# Allegro board 6UL_WIFI_V10B.brd
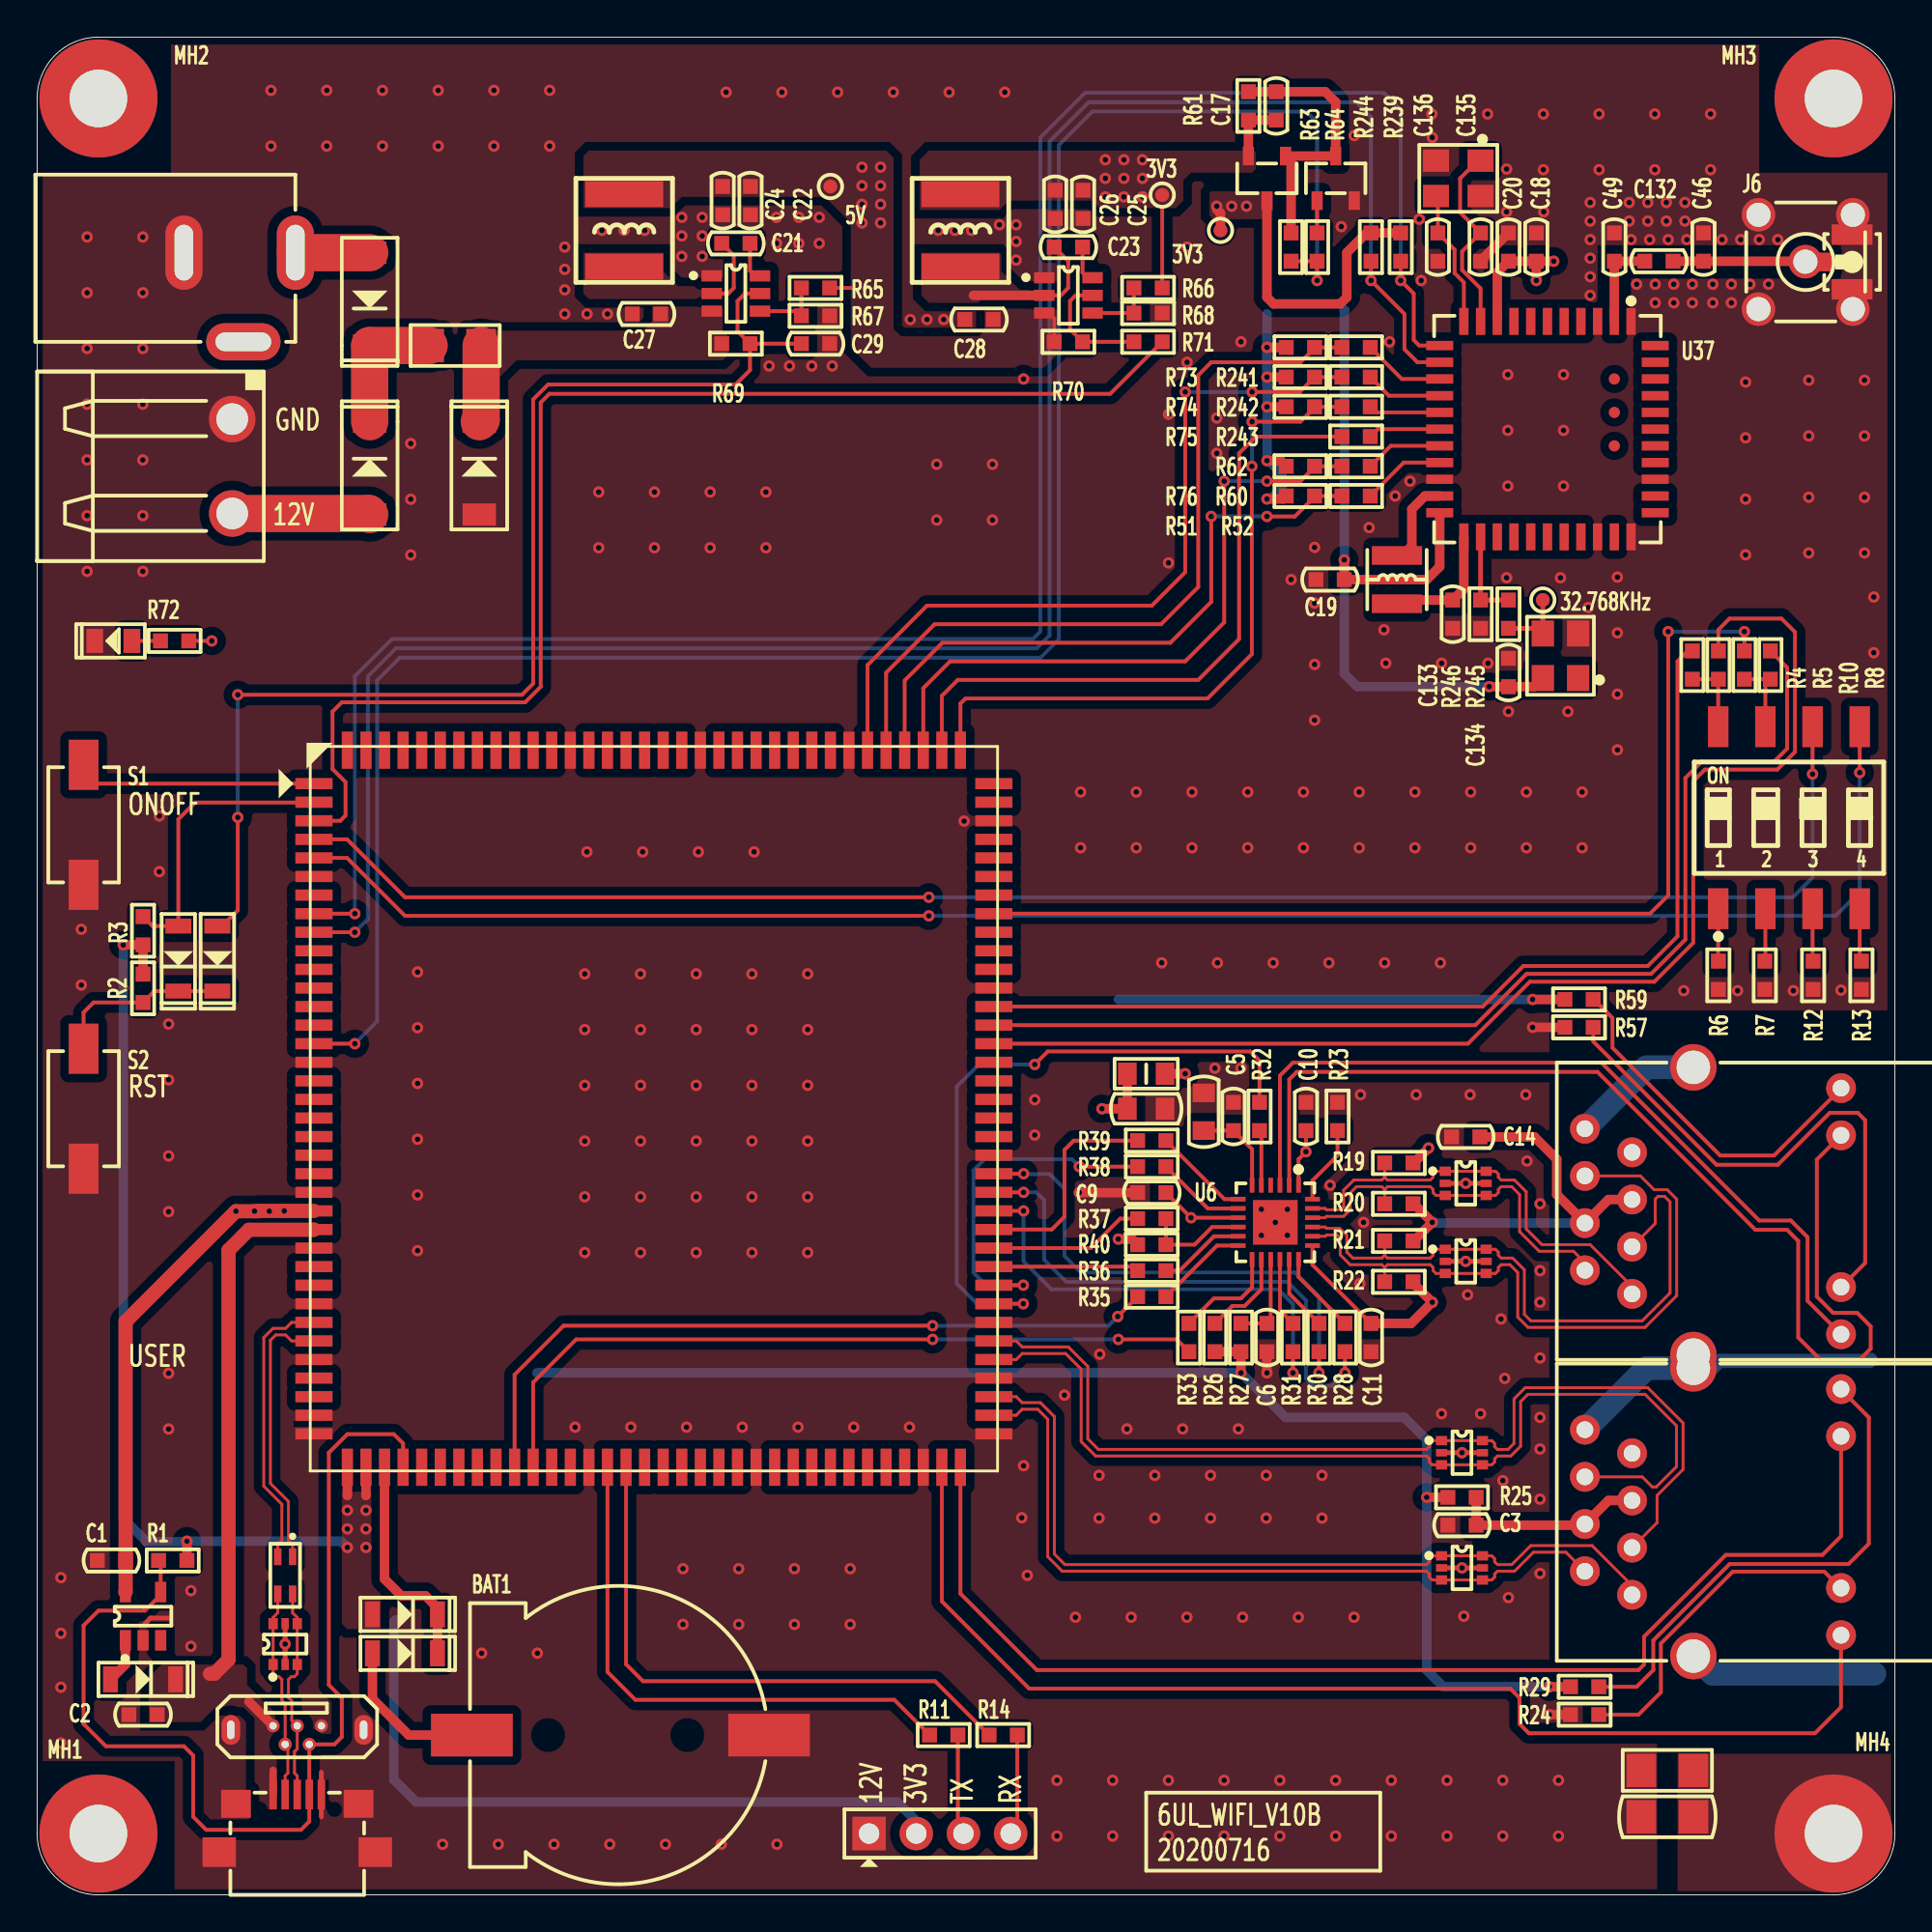
[diagram p0: board, top side]
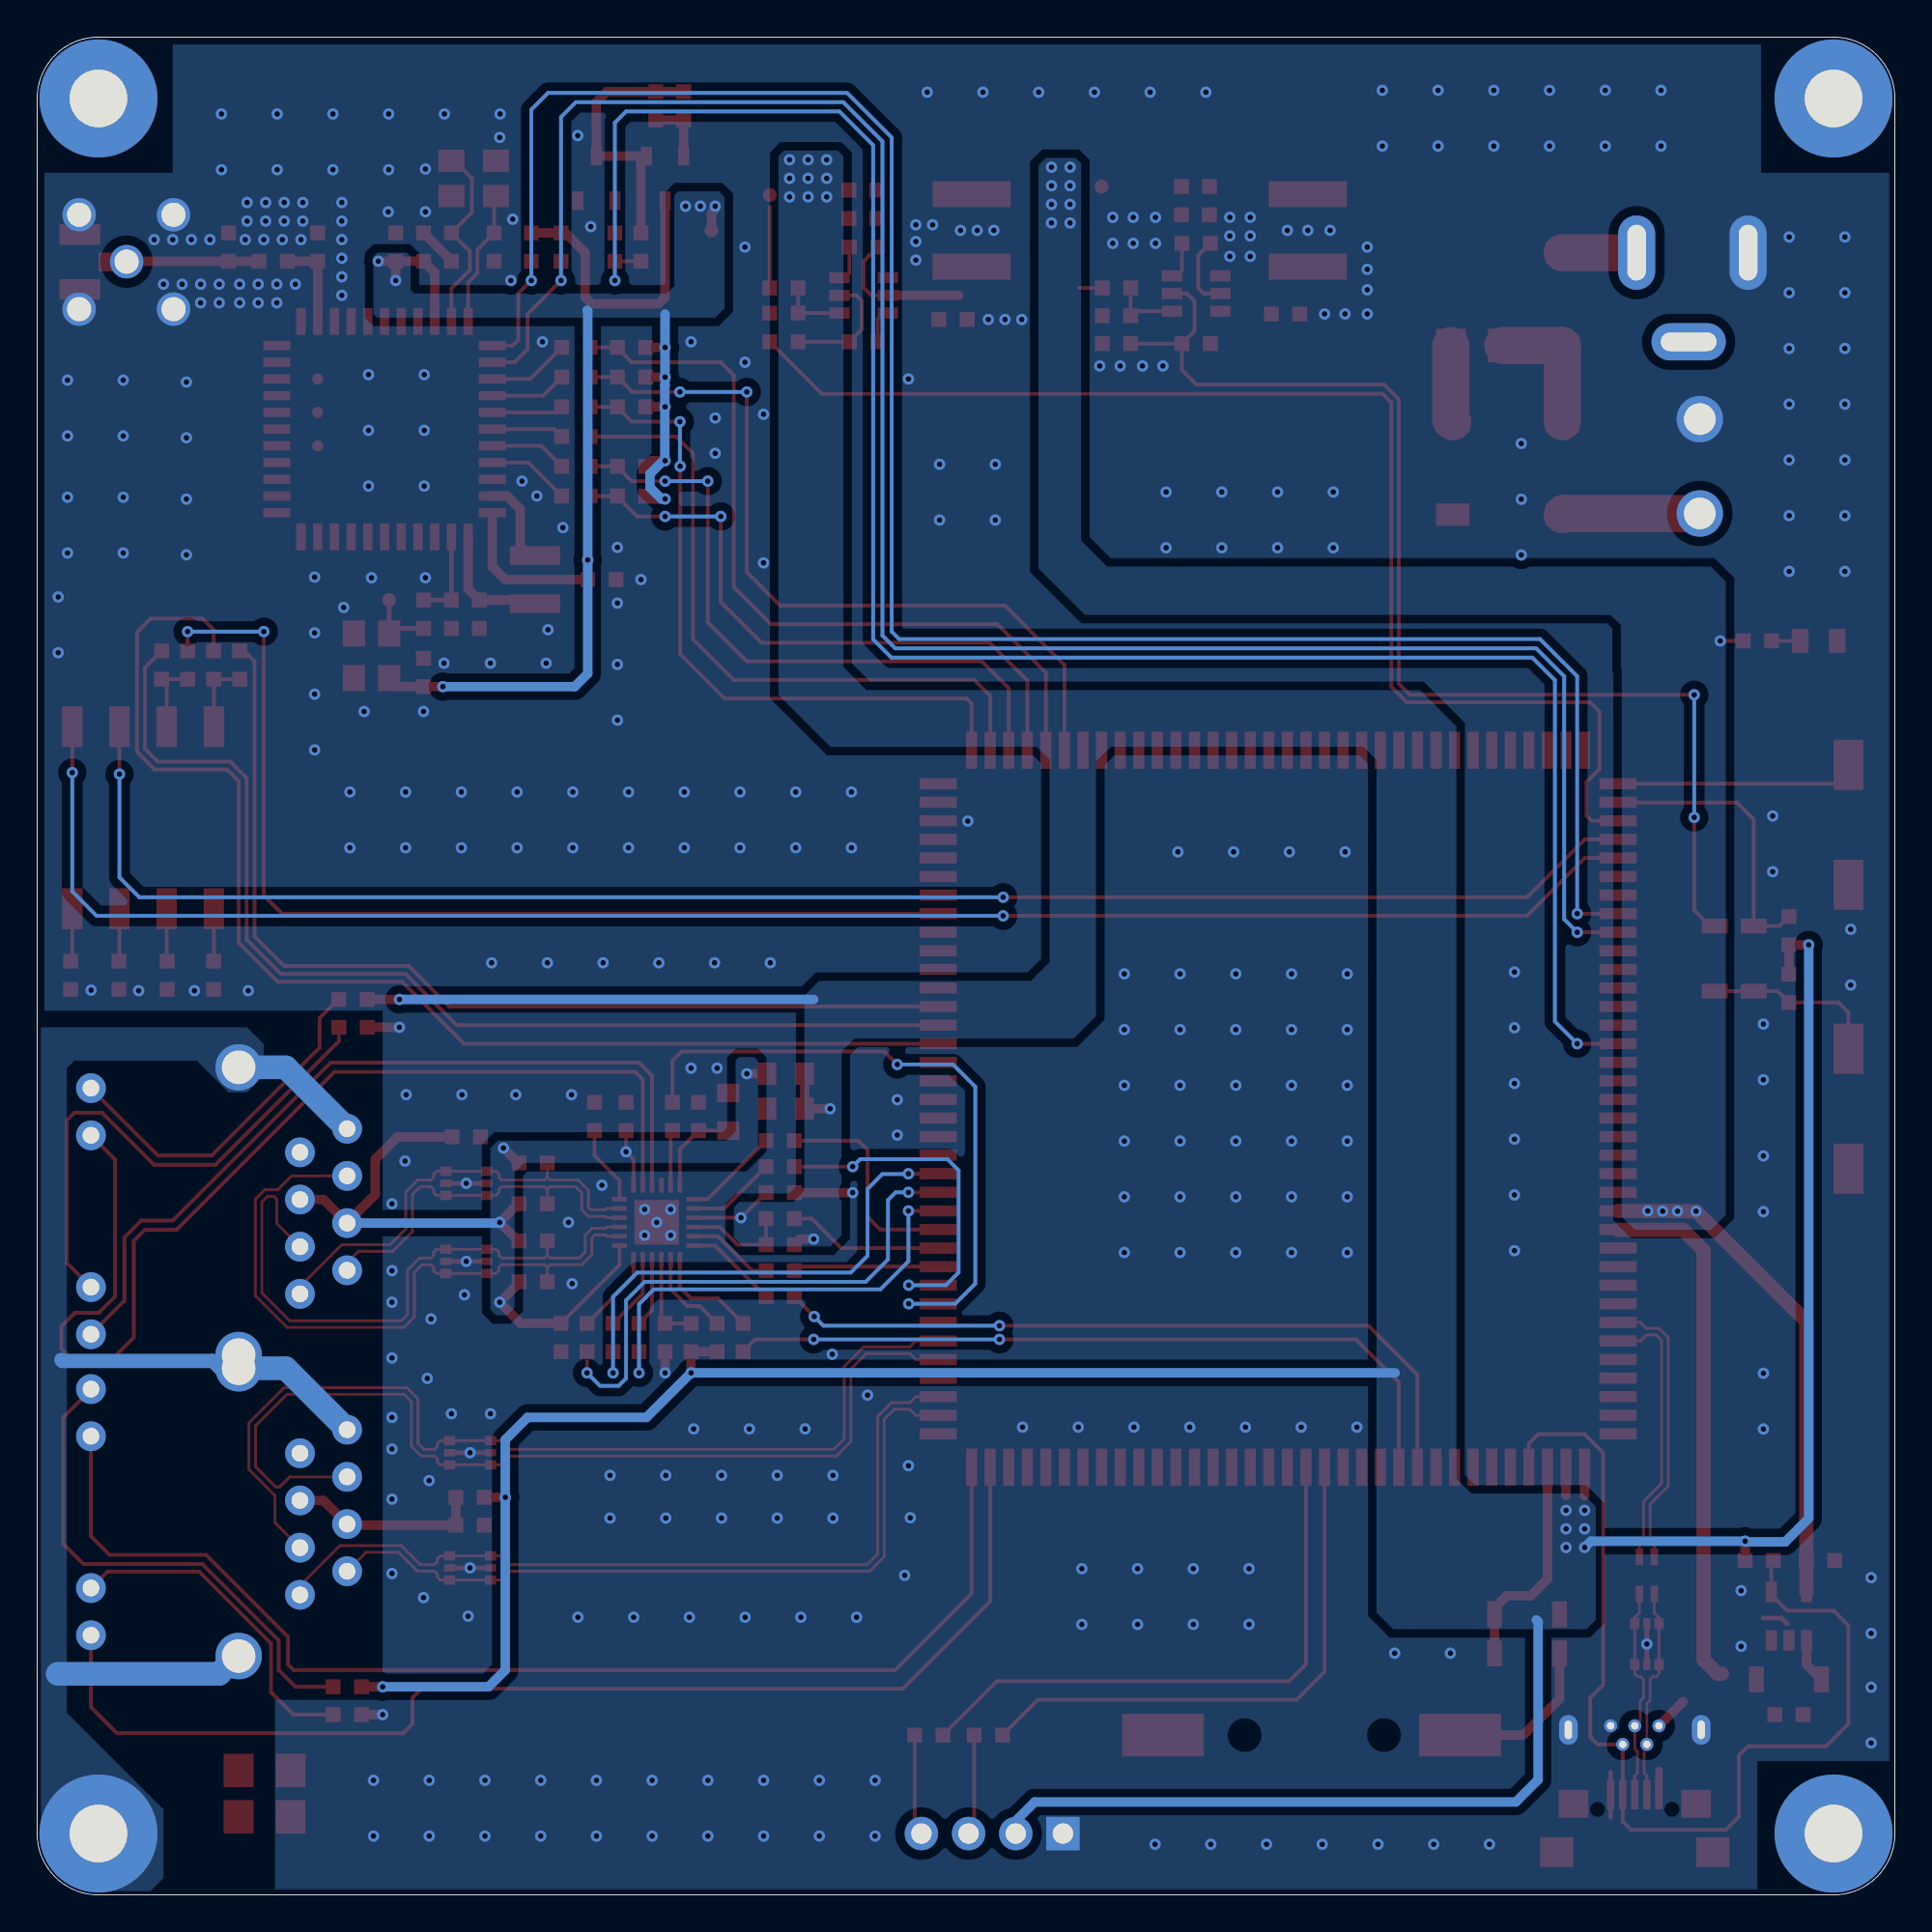
[diagram p1: board, bottom side, seen from below]

Outline 100 x 100 mm; copper layers: TOP, BOTTOM. Coordinates in mm from the lower left corner of the outline.
Outline path: 0,96.7 arc(0.97,99.03) 3.3,100 96.7,100 arc(99.03,99.03) 100,96.7 100,3.3 arc(99.03,0.97) 96.7,0 3.3,0 arc(0.97,0.97) 0,3.3 0,96.7

## Design rules (mm)
constraint set DEFAULT: min track width 0.152, pair gap 0.203
net group D: nets DN DP
net group ETH1_RX: nets ETH1_RXN ETH1_RXP
net group ETH1_TX: nets ETH1_TXN ETH1_TXP
net group ETH2_RX: nets ETH2_RXN ETH2_RXP
net group ETH2_TX: nets ETH2_TXN ETH2_TXP
net group USB_OTG1_D: nets USB_OTG1_DN USB_OTG1_DP

## Placement (name value [footprint] x y rotation side)
BAT1  CR1220  [CR1220HOLDER-SMD]  31.4 8.6 270 top
C1  10uF_10V  [C0603]  4 18 180 top
C2  10uF_10V  [C0603]  5.7 9.7 180 top
C3  100nF_50V  [C0603]  76.7 19.9 180 top
C4  10uF_10V  [C0805]  62.8 42.15 270 top
C5  100nF_50V  [C0603]  64.4 41.9 270 top
C6  100nF_50V  [C0603]  66.2 30 90 top
C7  1nF-2KV  [C1206]  87.75 4.2 0 top
C8  10uF_10V  [C0805]  59.7 42.32 180 top
C9  100nF_50V  [C0603]  60 37.8 0 top
C10  100nF_50V  [C0603]  68.3 41.9 270 top
C11  100nF_50V  [C0603]  71.8 30 90 top
C14  100nF_50V  [C0603]  76.9 40.8 180 top
C17  2.2uF_10V  [C0603]  66.7 96.3 90 top
C18  10uF_10V  [C0603]  80.7 88.7 90 top
C19  100nF_50V  [C0603]  69.6 70.8 180 top
C20  100nF_50V  [C0603]  79.2 88.7 90 top
C21  100nF_50V  [C0603]  37.61 88.9 180 top
C22  10uF_10V  [C0603]  38.4 91.2 270 top
C23  100nF_50V  [C0603]  55.51 88.7 180 top
C24  10uF_10V  [C0603]  36.9 91.2 270 top
C25  10uF_10V  [C0603]  56.3 91 270 top
C26  10uF_10V  [C0603]  54.8 91 270 top
C27  10uF_25V  [C0603]  32.8 85.1 180 top
C28  10uF_25V  [C0603]  50.7 84.8 180 top
C29  100nF_50V  [C0603]  41.9 83.5 0 top
C46  1nF_50V/NI  [C0603]  89.7 88.7 90 top
C49  1nF_50V/NI  [C0603]  84.9 88.7 90 top
C132  10pF_50V  [C0603]  87.3 87.94 180 top
C133  10uF_10V  [C0603]  76.2 68.94 270 top
C134  0.1uF_50V/NI  [C0603]  79.2 65.8 270 top
C135  10pF_50V  [C0603]  77.7 88.7 90 top
C136  10pF_50V  [C0603]  75.4 88.7 90 top
D1  MBR0520  [SOD123]  5.7 11.6 180 top
D2  MBR0520  [SOD123]  19.8 15.1 180 top
D3  MBR0520  [SOD123]  19.8 13 180 top
D4  MBR0520  [SOD123]  7.6 50.4 90 top
D6  MBR0520  [SOD123]  9.7 50.4 90 top
D11  SS34  [DO-214AC]  17.9 76.8 270 top
D12  SS34  [DO-214AC]  23.8 76.8 270 top
D13  SS34  [DO-214AC]  17.9 85.9 90 top
D14  LED_GREEN  [LED0805]  4.1 67.5 180 top
DC1  -  [DC005]  7.9 88.4 0 top
F1  0469005.WR  [FUSE1206]  22.5 83.4 0 top
IPX1  U.FL-R-SMT-1(80)  [IPX3]  97.7 87.9 270 top
J1  -  [CN1X4-2P54-Z]  44.78 3.3 0 top
J2  -  [HR911105A]  92.2 20.6 0 top
J4  -  [HR911105A]  92.2 36.8 0 top
J5  WJ2EDGR-5.08-2P  [WJ2EDGR-5R08-2P]  10.5 76.9 270 top
J6  -  [SMA-STRAIGHT-SOCKET]  95.2 87.9 0 top
L1  ACM2012-900-2P-T002  [ACM2012]  13.35 17.2 270 top
L2  BLM21PG600  [L0805]  59.7 44.2 0 top
L4  SWPA5020S4R7MT  [L5020]  31.6 89.6 90 top
L5  SWPA5020S4R7MT  [L5020]  49.7 89.6 90 top
L22  SWPA3015S3R3  [L3015]  73.2 70.8 270 top
MH1  HOLD-M3/NI  [HOLD6R35X3R10]  3.3 3.3 0 top
MH2  HOLD-M3/NI  [HOLD6R35X3R10]  3.3 96.7 0 top
MH3  HOLD-M3/NI  [HOLD6R35X3R10]  96.7 96.7 0 top
MH4  HOLD-M3/NI  [HOLD6R35X3R10]  96.7 3.3 0 top
NOREF  -  []  0 0 90 top
NOREF#2  -  []  0 0 0 top
NOREF#3  -  []  -0.21 0 0 top
Q1  IRLML6401  [SOT23-3]  66.2 92.4 180 top
Q2  2N7002/NI  [SOT23-3]  69.9 92.4 0 top
R1  10K  [R0603]  7.3 18 180 top
R2  100K  [R0603]  5.7 48.8 90 top
R3  100K  [R0603]  5.7 51.9 270 top
R4  0R  [R0603]  89.1 66.2 270 top
R5  0R/NI  [R0603]  90.5 66.2 270 top
R6  1K  [R0603]  90.5 49.5 270 top
R7  1K  [R0603]  93 49.5 270 top
R8  0R  [R0603]  93.3 66.2 270 top
R10  0R/NI  [R0603]  91.9 66.2 270 top
R11  1K  [R0603]  48.8 8.6 180 top
R12  1K  [R0603]  95.6 49.5 270 top
R13  1K  [R0603]  98.2 49.5 270 top
R14  1K  [R0603]  52 8.6 180 top
R19  49.9R  [R0603]  73.3 39.4 0 top
R20  49.9R  [R0603]  73.3 37.2 0 top
R21  49.9R  [R0603]  73.3 35.2 0 top
R22  49.9R  [R0603]  73.3 33 0 top
R23  12.1K  [R0603]  70 41.9 90 top
R24  510R  [R0603]  83.3 9.7 0 top
R25  10R  [R0603]  76.7 21.4 0 top
R26  1K  [R0603]  63.4 30 270 top
R27  1K  [R0603]  64.8 30 270 top
R28  22R  [R0603]  70.4 30 270 top
R29  510R  [R0603]  83.3 11.2 0 top
R30  22R  [R0603]  69 30 270 top
R31  22R  [R0603]  67.6 30 270 top
R32  22R  [R0603]  65.8 41.9 270 top
R33  22R  [R0603]  62 30 270 top
R34  10M  [R1206]  87.75 6.7 180 top
R35  22R  [R0603]  60 32.2 180 top
R36  22R  [R0603]  60 33.6 180 top
R37  22R  [R0603]  60 36.4 180 top
R38  22R  [R0603]  60 39.2 180 top
R39  22R  [R0603]  60 40.6 180 top
R40  10K  [R0603]  60 35 0 top
R51  10K  [R0603]  68 75.3 0 top
R52  22R  [R0603]  71 75.3 0 top
R57  510R  [R0603]  83 46.7 0 top
R59  510R  [R0603]  83 48.2 0 top
R60  22R  [R0603]  71 76.9 0 top
R61  10K  [R0603]  65.2 96.3 90 top
R62  22R  [R0603]  71 78.5 0 top
R63  1K  [R0603]  67.5 88.7 90 top
R64  1K/NI  [R0603]  68.9 88.7 90 top
R65  300K  [R0603]  41.9 86.5 180 top
R66  300K  [R0603]  59.8 86.5 180 top
R67  57.6K  [R0603]  41.9 85 0 top
R68  96K  [R0603]  59.8 85.15 0 top
R69  100K  [R0603]  37.61 83.5 0 top
R70  100K  [R0603]  55.51 83.6 0 top
R71  1K  [R0603]  59.8 83.6 180 top
R72  10K  [R0603]  7.4 67.5 180 top
R73  10K  [R0603]  68 83.3 0 top
R74  10K  [R0603]  68 81.7 0 top
R75  10K  [R0603]  68 80.1 0 top
R76  10K  [R0603]  68 76.9 0 top
R239  10K  [R0603]  73.4 88.7 270 top
R241  22R  [R0603]  71 83.3 0 top
R242  22R  [R0603]  71 81.7 0 top
R243  22R  [R0603]  71 80.1 0 top
R244  10K  [R0603]  71.8 88.7 270 top
R245  1K/NI  [R0603]  79.2 68.94 270 top
R246  1K/NI  [R0603]  77.7 68.94 90 top
S1  KEY  [KEY-2P-SMD-6R2X3R8X2R5]  2.5 57.6 90 top
S2  KEY  [KEY-2P-SMD-6R2X3R8X2R5]  2.5 42.32 90 top
SW1  -  [DM-04-V]  94.3 57.98 0 top
TP1  TestPoint/NI  [TP-0R75]  63.7 89.6 0 top
TP2  TestPoint/NI  [TP-0R75]  42.7 91.96 0 top
TP3  TestPoint/NI  [TP-0R75]  60.56 91.5 0 top
TP6  TestPoint/NI  [TP-0R75]  81.05 69.7 0 top
U1  -  [MYC-Y6ULX_SOM]  33.2 42.32 0 top
U2  TPS2041BDBV  [SOT23-5]  5.7 15 0 top
U3  TPD4E1U06DCKR  [SOT363]  13.35 13.5 0 top
U4  TPD4E1U06DCKR  [SOT363]  76.7 17.6 270 top
U5  TPD4E1U06DCKR  [SOT363]  76.7 23.8 270 top
U6  LAN8720A  [QFN24-4X4X0R5-2R4X2R4]  66.65 36.2 180 top
U7  TPD4E1U06DCKR  [SOT363]  76.9 38.3 270 top
U8  TPD4E1U06DCKR  [SOT363]  76.9 34.1 270 top
U9  BL8032CB6TR  [SOT23-6]  37.61 86.2 270 top
U10  BL8032CB6TR  [SOT23-6]  55.51 86.1 270 top
U37  -  [AP6181]  81.3 78.9 270 top
USB1  U-D-M5DD-Y-2  [USB-MICRO-L]  14 9.1 0 top
USB2  U-F-M5SS-W-1/NI  [USB-U-F-M5SS-W-1]  14 2.3 0 top
X1  NX3225SA-26MHZ-G4  [X-4P-3R2X2R5-SMD]  76.5 92.4 180 top
Y1  S3D32.768KB20F30T/NI  [X-4P-3R2X2R5-SMD]  82 66.7 90 top

## Library data of the parts
BAT1 = JMP-2_0
C1-C11 C14 C17-C20 C46 C49 C132-C136 = CAP NP_2
C21-C29 = CAP NP
D1-D4 D6 D11-D13 = DIODE13_9
D14 = LED_4
DC1 = DC005
F1 = FUSE
IPX1 = IPEX_0
J1 = CONN RCPT 4
J2 J4 = CON_RJ45_1X8_F_RA_0
J5 = HDR_1
J6 = SMA-50R_0
L1 = 744822222_0
L2 = IND_BEAD_0805_600OHM_1
L4 L5 L22 = INDUCTOR_0
MH1-MH4 = Hold_1
Q1 = MOS-P
Q2 = MOS-P_0
R1-R8 R10-R14 R19-R40 R51 R52 R57 R59-R76 R239 R241-R246 = R_Generic
S1 S2 = SW PUSHBUTTON_0
SW1 = SW DIP-4_0
TP1-TP3 TP6 = TestPoint
U1 = MYC-Y6ULX_SOM
U2 = TPS2051BDBVR
U3-U5 U7 U8 = TPD4E1U06DBVR
U6 = LAN8720A
U9 U10 = BL8032CB6TR
U37 = AP6181_0
USB1 = USB-MICRO_0
USB2 = USB-MICRO
X1 = TSX-3225
Y1 = SMD_OSC_6

## Footprints (pads in the part's own frame, mm; a bottom-side part is the same pattern mirrored in y, then rotated)
ACM2012
  rect 0.9x0.4 smd: 1(-1,0.4) 2(-1,-0.4) 3(1,-0.4) 4(1,0.4)
AP6181
  rect 1.45x0.5 smd: 1(-5.8,4.5) 2(-5.8,3.6) 3(-5.8,2.7) 4(-5.8,1.8) 5(-5.8,0.9) 6(-5.8,0) 7(-5.8,-0.9) 8(-5.8,-1.8) 9(-5.8,-2.7) 10(-5.8,-3.6) 11(-5.8,-4.5) 23(5.8,-4.5) 24(5.8,-3.6) 25(5.8,-2.7) 26(5.8,-1.8) 27(5.8,-0.9) 28(5.8,0) 29(5.8,0.9) 30(5.8,1.8) 31(5.8,2.7) 32(5.8,3.6) 33(5.8,4.5)
  rect 0.5x1.45 smd: 12(-4.5,-5.8) 13(-3.6,-5.8) 14(-2.7,-5.8) 15(-1.8,-5.8) 16(-0.9,-5.8) 17(0,-5.8) 18(0.9,-5.8) 19(1.8,-5.8) 20(2.7,-5.8) 21(3.6,-5.8) 22(4.5,-5.8) 34(4.5,5.8) 35(3.6,5.8) 36(2.7,5.8) 37(1.8,5.8) 38(0.9,5.8) 39(0,5.8) 40(-0.9,5.8) 41(-1.8,5.8) 42(-2.7,5.8) 43(-3.6,5.8) 44(-4.5,5.8)
  round 0.6 smd: 45(-2.7,3.6) 46(-0.9,3.6) 47(0.9,3.6)
C0603
  rect 0.8x0.8 smd: 1(-0.762,0) 2(0.762,0)
C0805
  rect 1x1.2 smd: 1(-1.016,0) 2(1.016,0)
C1206
  rect 1.6x1.8 smd: 1(-1.4,0) 2(1.4,0)
CN1X4-2P54-Z
  rect 1.8x1.8 hole 1.1: 1(0,0)
  round 1.8 hole 1.1: 2(2.54,0) 3(5.08,0) 4(7.62,0)
CR1220HOLDER-SMD
  rect 2.3x4.4 smd: 1(0,-8) 2(0,8)
DC005
  oval 2x4 hole 1x3: 1(6,0) 2(0,0)
  oval 4x2 hole 3x1: 3(3.2,-4.8)
DM-04-V
  rect 1.1x2.2 smd: 1(-3.81,-4.9) 2(-1.27,-4.9) 3(1.27,-4.9) 4(3.81,-4.9) 5(3.81,4.9) 6(1.27,4.9) 7(-1.27,4.9) 8(-3.81,4.9)
DO-214AC
  rect 1.2x1.8 smd: 1(2.5,0) 2(-2.5,0)
FUSE1206
  rect 1.6x1.8 smd: 1(-1.4,0) 2(1.4,0)
HOLD6R35X3R10
  round 6.35 hole 3.1: 1(0,0)
HR911105A
  round 1.6 hole 0.9: 1(-6.35,-4.45) 2(-8.89,-3.18) 3(-6.35,-1.91) 4(-8.89,-0.64) 5(-6.35,0.63) 6(-8.89,1.9) 7(-6.35,3.17) 8(-8.89,4.44) 9(4.9,-6.625) 10(4.9,-4.085) 11(4.9,4.085) 12(4.9,6.625)
  round 2.5 hole 1.8: 13(-3.05,-7.745) 14(-3.05,7.745)
IPX3
  rect 1x1 smd: 1(0,-1.501)
  rect 1.1x2.2 smd: 2(1.473,0) 3(-1.473,0)
KEY-2P-SMD-6R2X3R8X2R5
  rect 2.7x1.6 smd: 1(-3.23,0) 2(3.23,0)
L0805
  rect 1x1.2 smd: 1(-1.016,0) 2(1.016,0)
L3015
  rect 1x2.7 smd: 1(-1.3,0) 2(1.3,0)
L5020
  rect 1.4x4.2 smd: 1(-1.95,0) 2(1.95,0)
LED0805
  rect 0.9x1.3 smd: 1(-1,0) 2(1,0)
MYC-Y6ULX_SOM
  rect 2x0.6 smd: 1(-18.3,17.5) 2(-18.3,16.5) 3(-18.3,15.5) 4(-18.3,14.5) 5(-18.3,13.5) 6(-18.3,12.5) 7(-18.3,11.5) 8(-18.3,10.5) 9(-18.3,9.5) 10(-18.3,8.5) 11(-18.3,7.5) 12(-18.3,6.5) 13(-18.3,5.5) 14(-18.3,4.5) 15(-18.3,3.5) 16(-18.3,2.5) 17(-18.3,1.5) 18(-18.3,0.5) 19(-18.3,-0.5) 20(-18.3,-1.5) 21(-18.3,-2.5) 22(-18.3,-3.5) 23(-18.3,-4.5) 24(-18.3,-5.5) 25(-18.3,-6.5) 26(-18.3,-7.5) 27(-18.3,-8.5) 28(-18.3,-9.5) 29(-18.3,-10.5) 30(-18.3,-11.5) 31(-18.3,-12.5) 32(-18.3,-13.5) 33(-18.3,-14.5) 34(-18.3,-15.5) 35(-18.3,-16.5) 36(-18.3,-17.5) 71(18.3,-17.5) 72(18.3,-16.5) 73(18.3,-15.5) 74(18.3,-14.5) 75(18.3,-13.5) 76(18.3,-12.5) 77(18.3,-11.5) 78(18.3,-10.5) 79(18.3,-9.5) 80(18.3,-8.5) 81(18.3,-7.5) 82(18.3,-6.5) 83(18.3,-5.5) 84(18.3,-4.5) 85(18.3,-3.5) 86(18.3,-2.5) 87(18.3,-1.5) 88(18.3,-0.5) 89(18.3,0.5) 90(18.3,1.5) 91(18.3,2.5) 92(18.3,3.5) 93(18.3,4.5) 94(18.3,5.5) 95(18.3,6.5) 96(18.3,7.5) 97(18.3,8.5) 98(18.3,9.5) 99(18.3,10.5) 100(18.3,11.5) 101(18.3,12.5) 102(18.3,13.5) 103(18.3,14.5) 104(18.3,15.5) 105(18.3,16.5) 106(18.3,17.5)
  rect 0.6x2 smd: 37(-16.5,-19.3) 38(-15.5,-19.3) 39(-14.5,-19.3) 40(-13.5,-19.3) 41(-12.5,-19.3) 42(-11.5,-19.3) 43(-10.5,-19.3) 44(-9.5,-19.3) 45(-8.5,-19.3) 46(-7.5,-19.3) 47(-6.5,-19.3) 48(-5.5,-19.3) 49(-4.5,-19.3) 50(-3.5,-19.3) 51(-2.5,-19.3) 52(-1.5,-19.3) 53(-0.5,-19.3) 54(0.5,-19.3) 55(1.5,-19.3) 56(2.5,-19.3) 57(3.5,-19.3) 58(4.5,-19.3) 59(5.5,-19.3) 60(6.5,-19.3) 61(7.5,-19.3) 62(8.5,-19.3) 63(9.5,-19.3) 64(10.5,-19.3) 65(11.5,-19.3) 66(12.5,-19.3) 67(13.5,-19.3) 68(14.5,-19.3) 69(15.5,-19.3) 70(16.5,-19.3) 107(16.5,19.3) 108(15.5,19.3) 109(14.5,19.3) 110(13.5,19.3) 111(12.5,19.3) 112(11.5,19.3) 113(10.5,19.3) 114(9.5,19.3) 115(8.5,19.3) 116(7.5,19.3) 117(6.5,19.3) 118(5.5,19.3) 119(4.5,19.3) 120(3.5,19.3) 121(2.5,19.3) 122(1.5,19.3) 123(0.5,19.3) 124(-0.5,19.3) 125(-1.5,19.3) 126(-2.5,19.3) 127(-3.5,19.3) 128(-4.5,19.3) 129(-5.5,19.3) 130(-6.5,19.3) 131(-7.5,19.3) 132(-8.5,19.3) 133(-9.5,19.3) 134(-10.5,19.3) 135(-11.5,19.3) 136(-12.5,19.3) 137(-13.5,19.3) 138(-14.5,19.3) 139(-15.5,19.3) 140(-16.5,19.3)
QFN24-4X4X0R5-2R4X2R4
  rect 0.25x0.8 smd: 1(-1.25,-2) 2(-0.75,-2) 3(-0.25,-2) 4(0.25,-2) 5(0.75,-2) 6(1.25,-2) 13(1.25,2) 14(0.75,2) 15(0.25,2) 16(-0.25,2) 17(-0.75,2) 18(-1.25,2)
  rect 0.8x0.25 smd: 7(2,-1.25) 8(2,-0.75) 9(2,-0.25) 10(2,0.25) 11(2,0.75) 12(2,1.25) 19(-2,1.25) 20(-2,0.75) 21(-2,0.25) 22(-2,-0.25) 23(-2,-0.75) 24(-2,-1.25)
  rect 2.4x2.4 smd: 25(0,0)
R0603
  rect 0.8x0.8 smd: 1(-0.762,0) 2(0.762,0)
R1206
  rect 1.6x1.8 smd: 1(-1.4,0) 2(1.4,0)
SMA-STRAIGHT-SOCKET
  round 1.8 hole 1.3: 1(-0.016,0.016) 2(-2.54,2.54) 3(-2.54,-2.54) 4(2.54,-2.54) 5(2.54,2.54)
SOD123
  rect 0.8x1.4 smd: 1(1.75,0) 2(-1.75,0)
SOT23-3
  rect 0.6x1 smd: 1(-1,-1.2) 2(1,-1.2) 3(0,1.2)
SOT23-5
  rect 0.6x1.1 smd: 1(-0.95,-1.3) 2(0,-1.3) 3(0.95,-1.3) 4(0.95,1.3) 5(-0.95,1.3)
SOT23-6
  rect 0.6x1.1 smd: 1(-0.95,-1.3) 2(0,-1.3) 3(0.95,-1.3) 4(0.95,1.3) 5(0,1.3) 6(-0.95,1.3)
SOT363
  rect 0.5x0.6 smd: 1(-0.65,-1.1) 3(0.65,-1.1) 4(0.65,1.1) 6(-0.65,1.1)
  rect 0.4x0.6 smd: 2(0,-1.1) 5(0,1.1)
TP-0R75
  round 0.75 smd: 1(0,0)
USB-MICRO-L
  round 0.7 hole 0.4: 1(-1.3,0) 2(-0.65,-1) 3(0,0) 4(0.65,-1) 5(1.3,0)
  oval 1x1.6 hole 0.4x1: 6(-3.575,-0.22) 7(3.575,-0.22)
USB-U-F-M5SS-W-1
  rect 0.4x1.6 smd: 1(-1.3,3.1) 2(-0.65,3.1) 3(0,3.1) 4(0.65,3.1) 5(1.3,3.1)
  rect 1.6x1.5 smd: 6(-3.3,2.6) 7(3.3,2.6)
  rect 1.8x1.6 smd: 8(-4.2,0) 9(4.2,0)
WJ2EDGR-5R08-2P
  round 2.5 hole 1.7: 1(-2.54,0) 2(2.54,0)
X-4P-3R2X2R5-SMD
  rect 1.4x1.2 smd: 1(-1.2,-0.95) 2(1.2,-0.95) 3(1.2,0.95) 4(-1.2,0.95)

## Nets
GND: BAT1.2 C1.2 C2.2 C3.2 C4.1 C5.1 C6.1 C7.1 C8.1 C9.1 C10.1 C11.1 C14.2 C18.2 C19.2 C20.2 C22.2 C24.2 C25.2 C26.2 C27.2 C28.2 C29.2 C46.2 C49.2 C133.2 C134.1 C135.1 C136.1 D12.1 D14.2(CATHODE) DC1.2 IPX1.2 IPX1.3 J1.1 J5.1 J6.2 J6.3 J6.4 J6.5 Q2.2(S) R6.2 R7.2 R12.2 R13.2 R23.2 R24.1 R34.2 R57.1 R67.2 R68.2 R246.1 S1.1 S2.1 U1.6 U1.16 U1.23 U1.26 U1.29 U1.32 U1.35 U1.36 U1.50 U1.59 U1.68 U1.71 U1.74 U1.77 U1.86 U1.95 U1.104 U1.113 U1.121 U1.128 U2.2 U3.2 U3.5(NC) U4.2 U4.5(NC) U5.2 U5.5(NC) U6.25 U7.2 U7.5(NC) U8.2 U8.5(NC) U9.1 U10.1 U37.1 U37.3 U37.20 U37.31 U37.33 U37.36 USB1.5 USB1.6 USB1.7 USB2.5 USB2.6 USB2.7 USB2.8 USB2.9 X1.2 X1.4 Y1.2
GND_EARTH: C7.2 J2.8 J2.13 J2.14 J4.8 J4.13 J4.14 MH4.1 R34.1
VCC_3.3V: C8.2 C9.2 C17.1 C25.1 C26.1 D2.1 J1.2 L2.1 L5.2 Q1.2(S) R1.1 R2.2 R3.2 R25.1 R26.2 R27.2 R29.1 R40.1 R59.1 R61.1 R66.1 TP3.1 U1.37 U1.38 U6.9
VCC_3.3V_PHY2: C10.2 C11.2 C14.1 J4.4 J4.5 L2.2(B) R19.2 R20.2 R21.2 R22.2 U6.1 U6.19
VCC_3.3V_WIFI: C18.1 C19.1 C20.1 C134.2 Q1.3 R51.1 R73.1 R74.1 R75.1 R76.1 R239.1 R244.1 TP1.1 U37.9 U37.22 Y1.4(VCC)
VCC_5V: C1.1 C22.1 C24.1 C28.1 L4.2 R65.1 R70.1 R72.1 TP2.1 U1.24 U2.5 U10.3(VIN)
VCC_12V: C27.1 D12.2(ANODE_2) F1.2 R69.1 U9.3(VIN)
VCC_BAT: D2.2(ANODE_2) D3.2(ANODE_2) U1.39
32.768K_CLK: R245.1 R246.2 U37.24
BOOT_MODE0: SW1.6 U1.4
BOOT_MODE1: SW1.5 U1.5
DN: L1.3 U3.1 U3.6 USB1.2 USB2.2
DP: L1.4 U3.3 U3.4 USB1.3 USB2.3
ENET2_CRS_DV: R36.2 U1.80
ENET2_RXD0: R38.2 U1.79
ENET2_RXD1: R39.2 U1.82
ENET2_RXER: R37.2 U1.81
ENET2_TX_CLK: R32.1 U1.78
ENET2_TXD0: R30.2 U1.85
ENET2_TXD1: R28.2 U1.84
ENET2_TXEN: R31.2 U1.83
ENET_MDC: R33.2 U1.47
ENET_MDIO: R35.2 U1.46
ETH1_LED1: J2.9 U1.69
ETH1_LED2: J2.11 U1.70
ETH1_RXN: J2.6 U1.75 U5.3 U5.4
ETH1_RXP: J2.3 U1.76 U5.1 U5.6
ETH1_TXN: J2.2 U1.72 U4.3 U4.4
ETH1_TXP: J2.1(TXP1) U1.73 U4.1 U4.6
ETH2_LED1: J4.9 U6.3
ETH2_LED2: J4.11 U6.2
ETH2_RXN: J4.6 R22.1 U6.20 U8.3 U8.4
ETH2_RXP: J4.3 R21.1 U6.21 U8.1 U8.6
ETH2_TXN: J4.2 R20.1 U6.22 U7.3 U7.4
ETH2_TXP: J4.1(TXP1) R19.1 U6.23 U7.1 U7.6
LCD_DATA5: R5.1 U1.92
LCD_DATA6: R8.1 U1.93
LCD_DATA7: R4.1 U1.94
LCD_DATA11: R10.1 U1.99
ONOFF: S1.2 U1.1
PMIC_ON_REQ: R71.1 U1.3
POR_B: D4.1 R3.1 U1.2
POWER_EN: C29.1 D6.1 R69.2 U9.5
SD2_CLK: R62.1 U1.108
SD2_D0: R60.1 R76.2 U1.109
SD2_D1: R51.2 R52.1 U1.110
SD2_D2: R73.2 R241.1 U1.111
SD2_D3: R74.2 R242.1 U1.112
SD_CMD: R75.2 R243.1 U1.107
SNVS_TAMPER0_S: R63.1 R64.1 U1.15
SNVS_TAMPER6_S: R244.2 U1.9 U37.13
SNVS_TAMPER7_S: R239.2 U1.8 U37.12
UART1_RXD: R14.2 U1.52
UART1_TXD: R11.2 U1.51
USB_OTG1_DN: L1.2 U1.30
USB_OTG1_DP: L1.1 U1.31
USB_OTG1_ID: R1.2 U1.40 U2.4 USB1.4 USB2.4
USB_OTG1_VBUS: C2.1 D1.2(ANODE_2) U1.25 USB1.1(VBUS) USB2.1(VBUS)
WIFI_ANT: C49.1 C132.2 U37.2
WIFI_CLK: R62.2 U37.17
WIFI_CMD: R243.2 U37.16
WIFI_D0: R60.2 U37.18
WIFI_D1: R52.2 U37.19
WIFI_D2: R241.2 U37.14
WIFI_D3: R242.2 U37.15
XTAL_IN: C135.2 U37.10 X1.1
XTAL_OUT: C136.2 U37.11(XTAL_OUT) X1.3(OUT2)
N17448601: D1.1 U2.1
N17450220: R4.2 R5.2 SW1.8
N17450304: R6.1 SW1.1
N17450314: R8.2 R10.2 SW1.7
N17450341: R7.1 SW1.2
N17450354: R12.1 SW1.3
N17450369: R13.1 SW1.4
N17453450: C21.2 L4.1 U9.2
N17453461: C21.1 U9.6
N17453468: R65.2 R67.1 U9.4
N17453479: C23.2 L5.1 U10.2
N17453490: C23.1 U10.6
N17453495: R70.2 R71.2 U10.5
N17453497: R66.2 R68.1 U10.4
N17456258: C3.1 J2.4 J2.5 R25.2
N17456348: J2.10 R24.2
N17456497: J2.12 R29.2
N17457264: D11.1 J5.2
N17471802: D4.2(ANODE_2) D6.2(ANODE_2) R2.1 S2.2
N17486660: J1.3 R11.1
N17486680: J1.4 R14.1
N17493570: BAT1.1 D3.1
N17517014: C17.2 Q1.1 Q2.3 R61.2 R63.2
N17517096: Q2.1 R64.2
N17520513: D11.2(ANODE_2) D13.2(ANODE_2) F1.1
N17520537: D13.1 DC1.1